# Allegro board 1010260-900-0012_PCB_Rev-a.brd (continued)
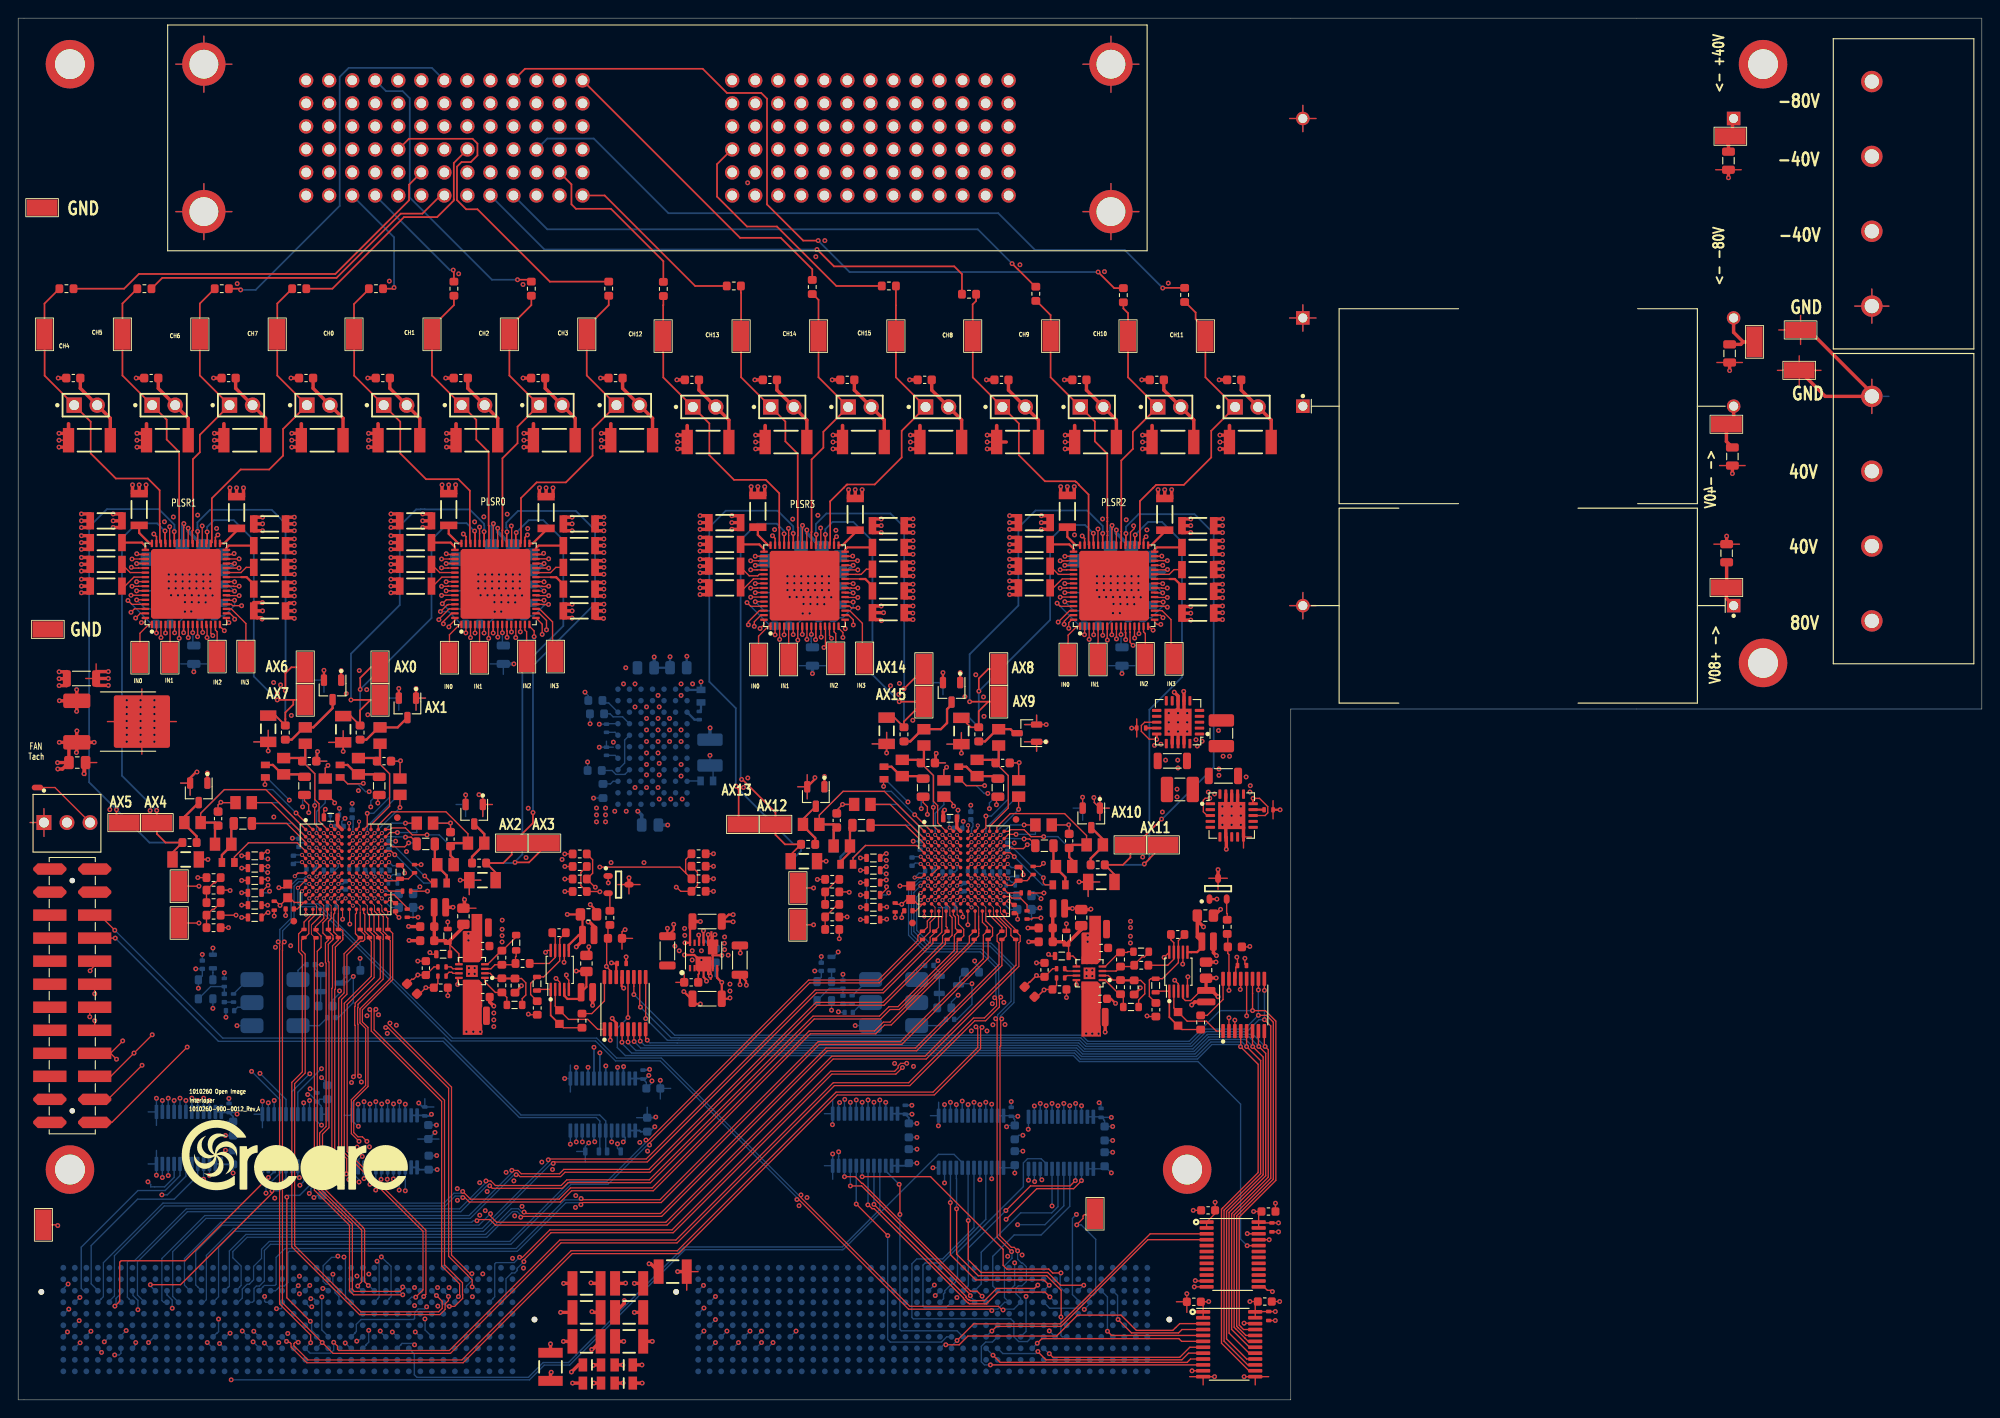
[diagram p0: board, top side]
## Routing (per net, layer and track width the routed paths; a pad name or vN(x,y) marks a point on that pad's centre or on a via; arc(x,y) is an arc through that point) (continued)
N16212300: length 3.3
  TOP w0.152: U39.27 92.37,91.05 92.38,91.04 92.79,91.04 92.8,91.05 92.95,91.05 93.53,91.62 C261.1
N16212304: length 3.2
  TOP w0.152: C257.1 79.66,91.84 80.62,90.89 81.56,90.89 81.72,91.05 U39.54
N16212324: length 3.1
  TOP w0.254: C262.1 81.72,94.36 82.25,93.83 U39.49
N16212328: length 3.3
  TOP w0.254: U39.32 91.19,93.77 91.44,94.02 C258.1
N16248943: length 75.2
  TOP w0.152: R215.2 v1(76.67,60.23)
  TOP w0.178: v1(122.13,83.85) 122.13,84.6 122.1,84.63 U38.11
  L3 - SIG1 w0.152: v1(76.67,60.23) 77.94,61.5 77.94,84.83 79.92,86.8 85.43,86.8 86.32,85.92 91.47,85.92 92.07,86.51 92.9,86.51 93.54,87.15 95.29,87.15 95.29,87.16 95.56,87.16 95.57,87.15 119.58,87.15 122.13,84.6 v1(122.13,83.85)
N16248947: length 72.1
  TOP w0.152: R214.2 v1(76.67,58.85) ; U38.6 v1(119.6,84.33)
  L3 - SIG1 w0.152: v1(76.67,58.85) 78.22,60.4 78.22,84.71 80.03,86.53 85.29,86.53 86.19,85.62 91.57,85.62 92.14,86.19 93.03,86.19 93.26,86.42 117.5,86.42 v1(119.6,84.33)
N16249235: length 41.7
  TOP w0.152: R216.2 v1(76.67,57.47)
  TOP w0.178: U39.11 87.97,83.89 v1(87.93,83.85)
  L3 - SIG1 w0.152: v1(87.93,83.85) 87.93,84.54 87.52,84.95 86.44,84.95 85.14,86.25 80.15,86.25 78.5,84.59 78.5,59.3 v1(76.67,57.47)
N16249265: length 39
  TOP w0.152: U39.6 v1(85.47,84.41) ; R217.2 v1(76.67,56.09)
  L3 - SIG1 w0.152: v1(76.67,56.09) 78.79,58.21 78.79,84.48 80.28,85.97 83.91,85.97 v1(85.47,84.41)
N16249673: length 38
  TOP w0.152: R218.2 v1(60.28,56.07)
  TOP w0.178: U37.11 53.88,84.83 53.91,84.8 v1(53.91,84.1)
  L3 - SIG1 w0.152: v1(53.91,84.1) 53.91,84.94 54.41,85.43 58.43,85.43 58.74,85.13 58.74,57.62 v1(60.28,56.07)
N16249703: length 38.4
  TOP w0.152: U37.6 v1(51.38,84.58) ; R219.2 v1(60.28,57.45)
  L3 - SIG1 w0.152: v1(60.28,57.45) 59.02,58.72 59.02,85.25 58.52,85.74 52.54,85.74 v1(51.38,84.58)
N16249898: length 71.7
  TOP w0.152: v1(60.28,58.83) R220.2
  TOP w0.178: v1(19.79,84.18) 19.79,85.49 U36.11
  L3 - SIG1 w0.152: v1(19.79,84.18) 19.79,85.46 20.91,86.58 24.07,86.58 25.01,85.65 30.41,85.65 30.81,86.04 45.71,86.04 46.2,86.54 51.32,86.54 51.82,86.04 58.65,86.04 59.33,85.36 59.33,59.68 60.18,58.83 v1(60.28,58.83)
N16249928: length 72.5
  TOP w0.152: R221.2 v1(60.27,60.21) ; U36.6 v1(17.25,84.6)
  L3 - SIG1 w0.152: v1(17.25,84.6) 17.48,84.6 20,87.12 24.87,87.12 25.07,87.31 26.57,87.31 26.76,87.5 30.48,87.5 31.56,86.42 45.38,86.42 46.23,87.28 51.43,87.28 52.25,86.46 58.67,86.46 59.65,85.48 59.65,60.83 v1(60.27,60.21)
N16376222: length 7.5
  TOP w0.152: U23.B1 96.16,65.67 C108.2
N16461492: length 4.4
  TOP w0.152: C290.2 53.89,44.39 R55.1 52.62,44.94 51.47,46.09 U19.1
N16463630: length 6.1
  TOP w0.152: U11.3 121.06,47.3 R126.2 122.92,47.79 R125.2 123.06,47.99 123.93,48.86 124.19,48.86 124.67,49.33 C300.1
N16463658: length 1.4
  TOP w0.152: R129.1 115.66,47.3 U11.10
N16463662: length 27.7
  TOP w0.152: U23.A7 104.79,62.78 104.79,63.33 v2(104.75,63.37) ; R129.2 114.07,47.55 C130.2 112.45,46.66 v1(112.29,46.81)
  TOP w0.178: C289.1 111.5,46.07 111.56,46.07 v1(112.29,46.81)
  L3 - SIG1 w0.152: v1(112.29,46.81) 112.79,47.31 112.79,52.36 112.2,52.95 112.2,54.05 112.18,54.07 112.18,58.16 110.07,60.27 105.88,60.27 105.59,60.57 105.59,62.53 v2(104.75,63.37)
N16463686: length 7.8
  TOP w0.152: R211.1 123.78,46.27 124.23,45.82 124.23,44.78 123.55,44.1 C301.1 ; U11.2 120.22,46.8 120.72,46.3 R133.2
  TOP w0.254: R133.2 121.59,46.27 R211.1
N16463726: length 1.4
  TOP w0.152: U11.11 115.66,46.8 R130.1
N16463730: length 29.7
  TOP w0.152: v1(113.12,45.22) 113.17,45.27 C129.2 114.5,45.72 R130.2 ; v2(105.82,63.35) 105.82,63.01 U23.A8
  TOP w0.178: C289.2 112.37,44.46 v1(113.12,45.22)
  L8 - SIG4 w0.152: v1(113.12,45.22) 113.12,45.32 111.81,46.64 111.81,48.4 111.91,48.5 111.91,57.33 109.75,59.49 104.79,59.49 104.72,59.56 104.72,62.43 105.28,62.99 105.38,62.99 105.42,63.02 105.49,63.02 v2(105.82,63.35)
N16463746: length 4.2
  TOP w0.152: C301.2 121.86,44.44 R133.1 121.42,44.74 119.86,46.3 U11.1
N16464427: length 4.1
  TOP w0.152: U11.4 119.86,47.8 121.42,49.35 R126.1 122.3,49.35 122.38,49.43 C300.2
N16464431: length 4.9
  TOP w0.152: U19.4 51.77,48.04 52.74,49.02 52.75,49.02 53.29,49.55 R46.1 53.39,49.55 54.91,51.07 C291.2
N16599124: length 2.3
  TOP w0.152: U10.A5 v2(34.51,63.31)
  BOTTOM w0.152: C88.2 34.89,63.33 34.53,63.33 ; C87.1 34.43,63.43 34.53,63.33 ; v2(34.51,63.31) 34.53,63.33
N16602282: length 2.3
  TOP w0.152: U23.A5 v2(102.72,63.11)
  BOTTOM w0.152: v2(102.72,63.11) 102.75,63.14 ; 102.75,63.14 102.65,63.24 C242.1 ; 102.75,63.14 103.11,63.14 C244.2
N16603218: length 1.6
  TOP w0.381: U23.A6 103.51,63.12 R158.2

## Copper pours and planes (outline as drawn; the poured copper is in the pictures)
1.8V on L5 - POWER: 83.74,7.98 83.72,7.95 83.72,0.64 139.6,0.64 139.7,0.74 139.7,75.79 134.47,75.79 134.34,75.67 134.34,56.9 131.91,54.47 131.91,54.05 132.44,53.52 132.44,46.16 127.07,40.79 48.82,40.79 48.82,44.73 47.98,45.57 47.98,53.57 48.82,54.41 112.52,54.41 112.62,54.51 112.62,58.32 112.6,58.29 66.9,58.29 65.35,56.74 64.29,56.74 63.25,57.78 63.25,58.29 17.09,58.29 3.68,44.88 3.68,8.28 3.99,7.98 55.91,7.98 58.57,5.31 60.02,5.31 62.61,7.9 62.61,7.98
1.8VA on TOP: 128.93,65.38 132.18,65.38 132.92,66.12 132.92,67.64 132.72,67.84 130.58,67.84 130.4,68.02 130.4,68.94 128.5,68.94 128.5,65.81
1.8VA on L5 - POWER: 92.25,66.83 99.64,59.44 118.28,59.44 131.79,72.95 134.34,72.95 134.34,56.9 131.5,54.05 116.94,54.05 112.69,58.31 109.89,58.31 109.88,58.29 66.9,58.29 65.35,56.74 64.31,56.74 63.27,57.78 63.27,58.29 30.23,58.29 30.23,59.69 30.28,59.74 40.31,59.74 47.4,66.83
3.3V on TOP: 126.37,73.76 123.62,73.76 123.6,73.74 123.6,70.74 125.02,69.32 126.72,69.32 126.95,69.55 126.95,73.18
3.3V on TOP: 135.36,65.38 137.03,65.38 137.03,68.05 135.18,69.9 133.53,69.9 133.53,68.15 134.16,67.51 134.65,67.51 134.77,67.39 134.77,65.96
3.3V on L6 - POWER: 0.64,87.68 129.03,87.68 131.01,85.7 131.57,85.7 131.6,85.72 131.6,87.91 136.31,83.2 192.41,83.2 192.41,84 200.89,92.48 206.07,92.48 215.65,102.06 215.9,101.81 215.9,76.83 139.7,76.83 139.7,0.64 0.64,0.64
3VA on TOP: 134.32,75.82 134.32,73.08 131.67,73.08 130.25,71.65 128.88,71.65 128.88,73 128.93,73.05 129.54,73.05 129.62,73.13 129.62,75.82
3VA on L5 - POWER: 99.64,59.44 109.88,59.44 109.94,59.5 118.22,59.5 131.8,73.08 134.29,73.08 134.34,73.03 134.34,75.79 134.21,75.92 46.1,75.92 30.38,60.2 30.3,60.2 30.28,60.17 30.28,59.74 40.34,59.74 47.61,67.02 92.06,67.02
3VA on L6 - POWER: 99.27,63.36 99.27,53.29 109.38,53.29 109.38,63.36
3VA on L6 - POWER: 31.06,63.56 31.06,53.46 41.16,53.46 41.16,63.56
5V on L6 - POWER: 5.84,69.32 4.62,69.32 4.6,69.34 0.64,69.34 0.64,151.76 215.9,151.76 215.9,150.38 192.19,150.38 146.05,104.24 11.06,104.24 4.72,97.91 4.72,92.81 4.7,92.79 4.7,92.31 8.46,88.54 130.96,88.54 131.6,87.91 131.6,85.72 18.03,85.72 17.27,84.96 17.27,80.75
5VA on TOP (solid shape): 119.4,48.44 119.02,48.06 117.24,48.06 117.24,51.44 117.37,51.57 118.11,51.57 118.11,53.4 119.4,53.4
5VA on TOP (solid shape): 51.18,48.64 50.8,48.26 49.09,48.26 49.02,48.3 49.02,51.63 49.11,51.72 49.99,51.72 49.99,53.59 51.18,53.59
5VA on TOP: 70.46,47.27 70.46,49.05 71.81,50.39 72.59,50.39 73.25,49.73 73.25,48.97 74.88,47.35 74.88,46.48 73.89,45.49 72.24,45.49
5VA on L5 - POWER: 48.06,45.47 49.32,45.47 51.17,47.32 59.54,47.32 59.56,47.35 60.38,46.53 60.99,46.53 61.15,46.7 61.15,47.98 72.92,47.98 74.47,46.43 116.05,46.43 116.05,46.02 116.59,45.49 117.76,45.49 119.41,47.14 128.37,47.14 128.37,46.86 129.21,46.02 129.64,46.02 130.76,47.14 131.01,47.14 131.01,53.57 130.99,53.59 130.91,53.59 130.12,54.38 49,54.38 48.06,53.44
10V on TOP: 76.23,50.01 76.23,53.9 76.17,53.95 72.87,53.95 72.75,53.82 72.75,50.55 73.33,49.96 76.17,49.96
10V on BOTTOM: 74.75,76.68 71.83,76.68 71.83,78.97 72.59,79.73 72.59,82.02 74.75,82.02
10V on L4 - POWER/GND: 74.47,73 78.71,77.24 78.71,89.81 78.89,89.99 90.53,89.99 92.41,88.11 94.34,88.11 96.22,89.99 122.17,89.99 124.87,87.3 128.24,87.3 128.24,90.86 124.43,94.67 11.63,94.67 11.63,90.98 20.6,90.98 22.81,88.77 24.26,88.77 26.67,91.19 54.08,91.19 72.26,73
10V on L6 - POWER: 76.89,85.45 76.89,77.17 72.8,73.08 70.21,73.08 70.21,66.8 75.59,61.42 75.59,49.96 72.14,49.96 62.99,59.11 62.99,81.03 67.41,85.45
12V on BOTTOM: 67.77,82.02 69.29,82.02 69.29,77.83 66.75,77.83 66.75,75.29 66.37,74.9 66.19,74.9 66.19,68.94 66.75,68.94 66.75,66.4 66.88,66.27 69.29,66.27 69.42,66.14 69.42,64.36 69.67,64.11 69.67,62.2 69.65,62.23 67.49,62.23 67.46,62.26 67.46,62.23 65.89,62.23 65.86,62.26 61.44,62.26 61.44,79.43 64.02,82 67.75,82
12V on L4 - POWER/GND: 72.06,64.06 72.06,13.82 139.65,13.82 139.65,0.94 1.78,0.94 1.78,13.82 52.86,13.82 52.86,64.31 59.92,71.37 64.74,71.37
12V on L5 - POWER: 16.41,88.21 16.41,85.32 131.39,85.32 139.88,76.83 139.7,76.83 139.7,75.79 134.34,75.79 134.21,75.92 46.1,75.92 30.38,60.2 30.38,58.45 29.54,57.61 16.41,57.61 3.68,44.88 3.68,8.1 3.85,7.94 82.77,7.94 82.8,7.98 83.74,7.98 83.72,7.95 83.72,0.64 0.64,0.64 0.64,90.95 0.64,90.95 6.32,90.95 6.48,90.8 6.48,88.59 6.51,88.55 12.15,88.55 12.49,88.21
40V on L6 - POWER: 125.07,93.88 111.27,93.88 107.4,97.75 98.35,97.75 94.48,93.88 77.14,93.88 73.25,97.77 73.25,97.95 64.26,97.95 60.5,94.18 43.16,94.18 39.4,97.94 27.28,97.94 23.52,94.18 13.46,94.18 11.89,95.76 4.72,95.76 4.72,97.91 11.06,104.24 106.11,104.24 106.14,104.28 146.09,104.28 192.19,150.38 199.9,150.38 200.15,150.13 200.4,150.38 215.9,150.38 215.9,134.88 215.65,134.63 215.65,102.06 206.07,92.48 200.89,92.48 200.89,103.28 208.05,110.44 208.05,137.77 206.17,139.65 198.46,139.65 184.69,125.88 154.53,95.72 138.9,95.72 137,97.62 128.82,97.62
80V on L5 - POWER: 135.46,90.58 125.93,90.58 125.37,91.14 125.37,100.35 125.27,100.46 114.5,100.46 114.5,95.56 115.65,94.4 115.65,91.58 114.82,90.76 91.62,90.76 91.62,93.91 93.5,93.91 93.5,100.12 93.17,100.46 80.36,100.46 80.36,95.56 81.52,94.4 81.52,91.58 80.69,90.76 75.46,90.76 75.46,90.75 57.53,90.75 57.53,94.11 57.64,94.22 59.42,94.22 59.42,100.32 59.09,100.65 46.28,100.65 46.28,95.75 47.43,94.6 47.43,91.78 46.61,90.95 23.4,90.95 23.4,94.11 23.51,94.22 25.29,94.22 25.29,100.32 24.95,100.65 12.15,100.65 12.15,95.75 13.3,94.6 13.3,91.78 12.48,90.95 7.25,90.95 7.24,90.96 6.48,90.96 6.48,88.55 12.15,88.55 12.48,88.22 16.36,88.22 16.36,88.21 16.41,88.21 16.41,85.32 131.39,85.32 139.88,76.83 215.9,76.83 215.9,111.18 187.78,111.18 187.68,111.28 156.16,111.28 156.16,111.1 142.75,97.69 142.67,97.76 142.67,97.79
-5VA on TOP (solid shape): 51.18,45.97 51.18,43.36 51.17,43.35 51.14,43.27 51.13,43.19 51.13,41.54 51.14,41.46 51.17,41.39 51.18,41.37 51.18,40.26 49.02,40.26 49.02,46.29 49.11,46.35 50.8,46.35
-5VA on TOP (solid shape): 119.03,46.15 119.06,46.1 119.11,46.06 119.4,45.78 119.4,43.2 119.39,43.18 119.36,43.11 119.36,43.04 119.36,41.39 119.36,41.32 119.39,41.25 119.4,41.23 119.4,40.06 117.24,40.06 117.24,46.16 119.02,46.16
-5VA on TOP: 79.07,43.05 79.07,46.28 77.29,48.06 76.73,48.06 76.73,43.08 76.81,43 79.02,43
-5VA on L5 - POWER: 49,47.32 49,40.06 126.09,40.06 132.44,46.41 132.44,47.14 130.76,47.14 129.64,46.02 129.21,46.02 128.37,46.86 128.37,47.14 119.41,47.14 117.76,45.49 116.59,45.49 116.05,46.02 116.05,46.43 74.47,46.43 74.45,46.46 74.45,46.48 72.95,47.98 61.16,47.98 61.16,46.69 60.99,46.51 60.5,46.51 59.69,47.32
-10V on TOP: 76.3,51 76.3,51.23 76.78,51.71 79.71,51.71 80.72,50.7 80.72,48.44 80.49,48.21 76.23,48.21 76.23,50.93
-10V on BOTTOM: 74.5,67.54 71.83,67.54 71.83,71.35 77.93,71.35 77.93,69.06 74.5,69.06
-10V on L4 - POWER/GND: 127.99,85.93 127.1,85.04 86.74,85.04 85.45,83.74 85.45,70.08 79.73,64.36 69.9,64.36 47.35,86.92 12.22,86.92 12.21,86.92 12.04,86.92 12.04,90.84 12.15,90.95 127.05,90.95 127.99,90.01
-10V on L6 - POWER: 80.62,72.95 81,72.57 81,48.72 80.49,48.21 76.53,48.21 75.59,49.15 75.59,50.29 75.49,50.29 75.49,59.89 70.59,59.89 70.59,72.95
-40V on L6 - POWER: 4.7,95.76 11.71,95.76 13.41,94.06 23.57,94.06 27.33,97.82 39.34,97.82 43.1,94.06 60.55,94.06 64.32,97.82 73.2,97.82 77.14,93.88 94.66,93.88 98.4,97.62 107.53,97.62 111.27,93.88 125.07,93.88 128.82,97.62 137,97.62 138.94,95.68 154.49,95.68 154.58,95.59 185.16,126.17 198.46,139.47 198.46,139.65 206.17,139.65 208.05,137.77 208.05,110.62 200.76,103.33 200.76,92.35 191.66,83.25 136.26,83.25 130.49,89.02 8.46,89.02 4.7,92.79
-80V on L5 - POWER: 215.9,111.18 182.98,111.18 182.88,111.28 156.16,111.28 135.46,90.58 125.93,90.58 125.37,91.14 125.37,100.35 125.27,100.46 114.5,100.46 114.5,95.49 114.56,95.49 115.65,94.4 115.65,91.58 114.82,90.76 109.59,90.76 109.26,90.42 91.65,90.42 91.62,90.45 91.62,93.91 93.5,93.91 93.5,100.12 93.17,100.46 80.36,100.46 80.36,95.56 81.52,94.4 81.52,91.58 80.69,90.76 75.46,90.76 75.33,90.62 57.56,90.62 57.53,90.65 57.53,94.11 57.64,94.22 59.42,94.22 59.42,100.32 59.09,100.65 46.28,100.65 46.28,95.75 47.43,94.6 47.43,91.78 46.61,90.95 41.38,90.95 41.05,90.62 23.43,90.62 23.4,90.65 23.4,94.11 23.51,94.22 25.29,94.22 25.29,100.32 24.95,100.65 12.15,100.65 12.15,95.75 13.3,94.6 13.3,91.78 12.48,90.95 0.64,90.95 0.64,90.96 0.64,151.76 215.9,151.76
GND_SIGNAL on TOP: 49.95,49.3 49.95,53.49 53.9,53.49 53.9,49.3
GND_SIGNAL on TOP: 135.97,73.08 135.97,65.71 125.79,65.71 125.79,73.08 128.85,73.08 128.85,71.65 130.25,71.65 131.67,73.08
GND_SIGNAL on TOP: 51.18,40.26 51.18,45.1 52.77,45.1 52.77,40.26
GND_SIGNAL on TOP: 122.94,53.37 122.94,49.18 118.11,49.18 118.11,53.37
GND_SIGNAL on BOTTOM: 48.81,95 48.81,93.98 49.09,93.7 49.09,91.95 48.63,91.49 48.63,89.89 48.81,89.71 50.49,89.71 50.49,88.47 50.13,88.11 50.13,84.91 51.61,84.91 53.97,87.27 57.5,87.27 57.5,94.03 56.38,95.15 48.96,95.15
GND_SIGNAL on BOTTOM: 69.29,78.99 69.29,77.83 66.75,77.83 66.75,75.29 68.02,75.29 68.02,72.75 64.08,72.75 64.08,71.6 64.34,71.35 67.89,71.35 67.89,68.94 66.75,68.94 66.75,66.4 66.88,66.27 69.29,66.27 69.42,66.14 69.42,64.41 71.78,64.41 71.83,64.47 71.83,65 74.37,65 74.37,67.54 71.83,67.54 71.83,71.35 74.5,71.35 74.5,75.29 73.23,75.29 73.1,75.41 73.1,76.68 71.83,76.68 71.83,78.97 71.86,78.99
GND_SIGNAL on BOTTOM: 14.68,95 14.68,93.98 14.96,93.7 14.96,91.95 14.5,91.49 14.5,89.89 14.68,89.71 16.36,89.71 16.36,88.47 16,88.11 16,84.91 17.48,84.91 19.84,87.27 23.37,87.27 23.37,94.03 22.25,95.15 14.83,95.15
GND_SIGNAL on BOTTOM: 82.9,94.8 82.9,93.78 83.18,93.5 83.18,91.75 82.72,91.29 82.72,89.69 82.9,89.52 84.57,89.52 84.57,88.27 84.22,87.92 84.22,84.72 85.69,84.72 88.05,87.08 91.58,87.08 91.58,93.83 90.47,94.95 83.05,94.95
GND_SIGNAL on BOTTOM: 117.03,94.8 117.03,93.78 117.31,93.5 117.31,91.75 116.85,91.29 116.85,89.69 117.03,89.52 118.7,89.52 118.7,88.27 118.35,87.92 118.35,84.72 119.82,84.72 122.18,87.08 125.72,87.08 125.72,93.83 124.6,94.95 117.18,94.95
GND_SIGNAL on L2 - GND, L3 - SIG1, L4 - POWER/GND, L7 - GND, L8 - SIG4, L9 - GND: 139.7,76.83 139.7,0.64 0.64,0.64 0.64,151.76 215.9,151.76 215.9,76.83
(no net) on TOP: 49.02,46.35 49.02,40.26 51.18,40.26 51.18,45.97 50.8,46.35
(no net) on TOP: 118.11,53.4 118.11,51.57 117.24,51.57 117.24,51.56 117.24,48.06 119.02,48.06 119.4,48.44 119.4,53.4
(no net) on TOP: 117.24,46.16 117.24,40.06 119.4,40.06 119.4,45.78 119.02,46.16
(no net) on TOP: 49.99,53.59 49.99,51.72 49.03,51.72 49.02,51.71 49.02,48.26 50.8,48.26 51.18,48.64 51.18,53.59
(no net) on TOP, BOTTOM: 139.7,76.83 139.7,0.64 0.64,0.64 0.64,151.76 215.9,151.76 215.9,76.83

## Text on the board
Ref Des/Silkscreen Top: CH4 | CH5 | IN0 | IN1 | CH6 | 1010260-900-0012_Rev,A | 1010260 Open Image | Interloper | IN2 | IN3 | CH7 | CH0 | CH1 | CH2 | CH3 | CH12 | CH13 | CH14 | CH15 | CH8 | CH9 | CH10 | CH11 | Tach | FAN | PLSR1 | PLSR0 | PLSR3 | PLSR2 | AX5 | AX4 | AX6 | AX7 | AX0 | AX1 | AX2 | AX3 | AX13 | AX12 | AX14 | AX15 | AX8 | AX9 | AX10 | AX11 | <- +40V | <- -80V | <- -40V | <- +80V | GND | -40V | -80V | 40V | 80V
XSECTION_CHART: *  SURFACE - AIR | * ENIG_TOP MASK - ENIG | * SOLDERMASK_TOP MASK - SOLDERMASK | L1 TOP CONDUCTOR - 1OZ_COPPER | *  DIELECTRIC - FR-4 | L2 L2 - GND PLANE - 2OZ_COPPER | L3 L3 - SIG1 CONDUCTOR - 1OZ_COPPER | L4 L4 - POWER/GND CONDUCTOR - 2OZ_COPPER | L5 L5 - POWER CONDUCTOR - 2OZ_COPPER | L6 L6 - POWER CONDUCTOR - 2OZ_COPPER | L7 L7 - GND PLANE - 2OZ_COPPER | L8 L8 - SIG4 CONDUCTOR - 1OZ_COPPER | L9 L9 - GND CONDUCTOR - 2OZ_COPPER | L10 BOTTOM CONDUCTOR - 1OZ_COPPER | * SOLDERMASK_BOTTOM MASK - SOLDERMASK | * ENIG_BOTTOM MASK - ENIG | DESIGN CROSS SECTION CHART | ___________________________ | TOTAL THICKNESS 85.4 MIL | 1-10
User.45: FIGURE | FINISHED_SIZE | 10.0 | 39.37 | 41.73 | 43.31 | 62.2 | 125.2 | 129.92 | 46.85 | 50.0 | DRILL CHART: TOP to BOTTOM | ALL UNITS ARE IN MILS | TOLERANCE_DRILL | +3.0/-10.0 | +3.0/-3.0 | +4.02/-4.02 | PLATED | NON-PLATED | QTY | 1573 | 212 | 8 | 156 | 3 | 32 | 4 | 5 | 2
